# Altium PCB COEXPIX PCB.PcbDoc (part 2 of 2)
Units mm, origin at the board's own origin, x right, y up, seen from the top; angles counter-clockwise.
Board outline 35 x 35 mm, 4 copper layers (Top Layer, Signal Layer 1, Inner Layer 2, Bottom Layer), stack 0.778 mm thick; 129 components, 70 nets, 509 pads, 261 vias.
Unrouted connection lines stored in the file: 28.
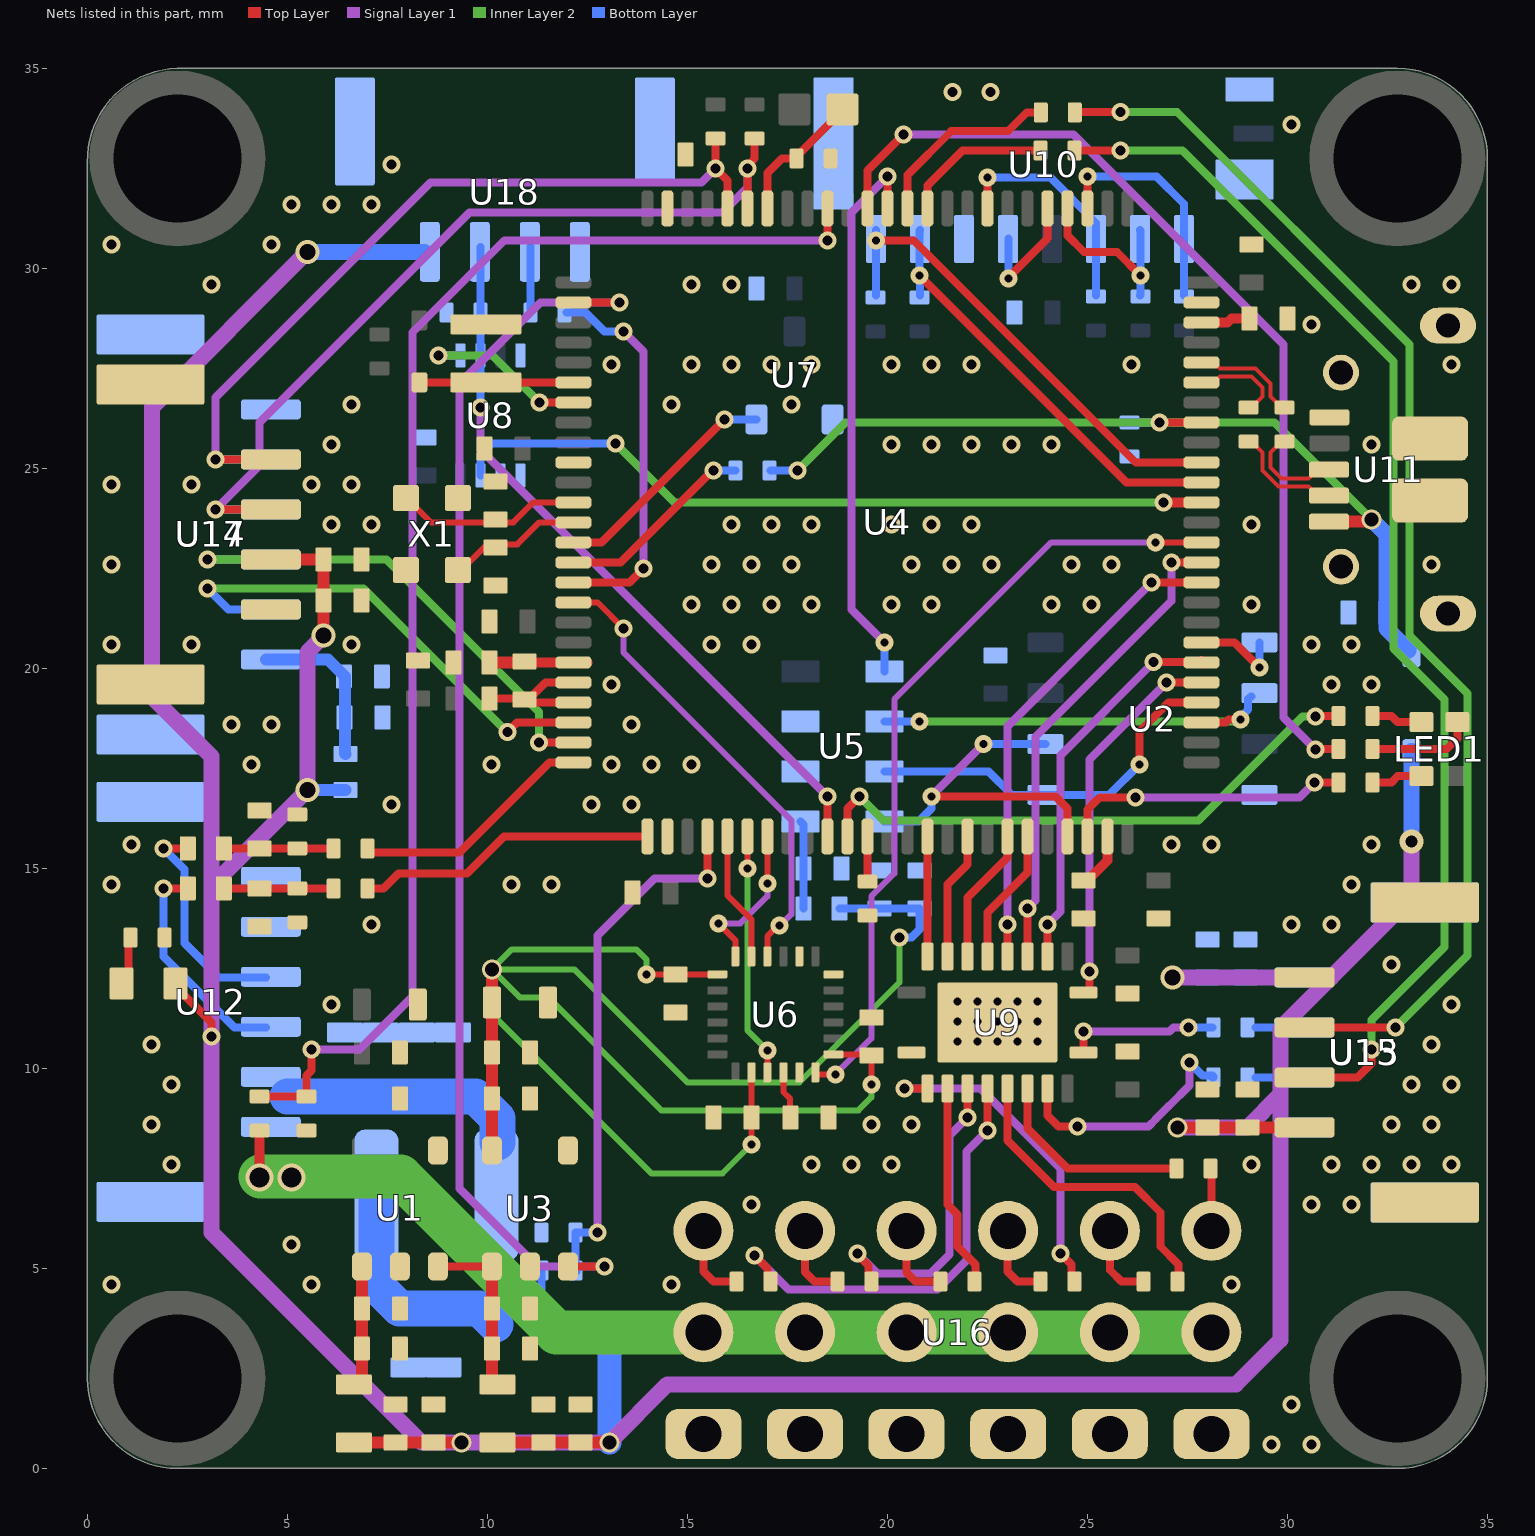
[diagram p4: the nets of this part, all layers, seen from the top]

## Via types
v1: diameter 0.45, hole 0.25, Top Layer to Bottom Layer, tented both sides, 209 vias
v2: diameter 0.45, hole 0.2, Top Layer to Bottom Layer, tented both sides, 38 vias
v3: diameter 0.5, hole 0.35, Top Layer to Bottom Layer, tented both sides, 6 vias
v4: diameter 0.6, hole 0.4, Top Layer to Bottom Layer, tented both sides, 4 vias
v5: diameter 0.7, hole 0.5, Top Layer to Bottom Layer, tented both sides, 2 vias
v6: diameter 0.6, hole 0.3, Top Layer to Bottom Layer, tented both sides, 1 vias
v7: diameter 0.5, hole 0.3, Top Layer to Bottom Layer, tented both sides, 1 vias

## Nets (pads, with @x,y where several pads share a name; then routed paths per layer and width w, separated by ;. In a path a pad name is that pad's centre, name@x,y a point inside that pad or via, vN(x,y) a via of type N, cw(c..) or ccw(c..) an arc to the next point about the centre after c; other vN are vias at no path point) (continued)
"3.3v analog": C14.1 L2.1 U4.21 U4.22 | length 3.5
  Top Layer w0.2: L2.1@10.05,19.25 10.95,19.25 C14.1@10.975,19.225 ; C14.1@10.925,19.225 C14.1@10.975,19.225 ; U4.22@12.15,19.15 11.05,19.15 C14.1@10.975,19.225 ; U4.21@12.15,19.65 11.45,19.65 11.025,19.225 C14.1@10.975,19.225
"3.3v sens.": C16.1 C17.1 C22.2 C23.2 C24.2 C27.2 C28.2 C29.2 L4.1 L4.2 R5.1 U3.5 U5.1 U6.1 U6.8 U6.13 | length 54.1
  Top Layer w0.15: v2(13.975,12.35) C27.2@14.7,12.35 U6.1@15.75,12.35 ; U6.8@16.6,9.9 C28.2@16.6,8.775 16.602,8.775 v2(16.602,8.1) ; U6.13@18.65,10.35 19.6,10.35 C29.2@19.6,10.325 v2(19.6,9.6)
  Top Layer w0.3: U3.5@10.112,7.95 C17.1@10.112,9.25 C16.1@10.112,10.4 R5.1@10.112,11.648 v3(10.112,12.475)
  Inner Layer 2 w0.15: v2(13.975,12.35) 13.975,12.725 13.725,12.975 10.612,12.975 v3(10.112,12.475) ; v2(16.602,8.1) 15.877,7.375 14.1,7.375 10.112,11.363 v3(10.112,12.475) ; v2(19.6,9.6) 19.6,9.275 19.275,8.95 14.348,8.95 11.523,11.775 10.812,11.775 v3(10.112,12.475) ; v1(20.3,13.275) 20.3,12.148 17.802,9.65 15,9.65 12.175,12.475 v3(10.112,12.475)
  Bottom Layer w0.2: U5.1@17.825,16.175 17.9,16.1 C24.2@17.9,15 L4.1@17.9,14 ; L4.2@18.8,14 C23.2@19.8,14 C22.2@20.8,14 20.8,13.475 20.6,13.275 v1(20.3,13.275)
"5v input": C40.2 C41.2 C42.2 C43.2 C44.2 C45.2 D3.2 L6.1 L6.2 R4.1 U12.1 U12.2 U16.7 U16.8 U16.9 U16.10 U16.11 U16.12 | length 38.2
  Top Layer w0.25: v5(4.3,7.275) R4.1@4.3,8.4
  Inner Layer 2 w1.1: v5@4.325,7.3 7.825,7.3 11.725,3.4 U16.7@15.4,3.4 U16.8@17.94,3.4 U16.9@20.48,3.4 U16.10@23.02,3.4 U16.11@25.56,3.4 U16.12@28.1,3.4
  Bottom Layer w0.9: 5,9.3 5.712,9.3 5.717,9.295 6.383,9.295 6.388,9.3 6.438,9.3 9.7,9.3 10.25,8.75 L6.1@10.25,8.15 ; L6.2@7.225,6.825 7.225,4.575 7.8,4 9.8,4 D3.2@10.2,3.6
  other v5: 5.1,7.275
"5v input_USB": C39.1 D2.2 R21.1 R22.2 U4.68 U11.1 | length 23.2
  Top Layer w0.2: v1(26.8,26.15) U4.68@27.85,26.15
  Top Layer w0.3: U11.1@31.041,23.669 31.977,23.669 32.032,23.725 v3(32.1,23.725)
  Inner Layer 2 w0.2: v1(17.75,24.95) 18.95,26.15 v1(26.8,26.15) 29.675,26.15 v3(32.1,23.725) v3@32.1,23.7
  Bottom Layer w0.2: R22.2@17.075,24.95 v1@17.725,24.95 ; R21.1@26.025,26.15 R21.1@26.05,26.15 v1(26.8,26.15) v1@26.85,26.15
  Bottom Layer w0.4: v3(32.1,23.725) 32.475,23.35 C39.1@32.475,21.4 32.475,21 32.945,20.53 32.977,20.53 33.025,20.482 D2.2@33.025,20.45
"5v input_USB_valid": R22.1 U4.15 | length 5
  Top Layer w0.2: U4.15@12.15,22.65 13.325,22.65 15.625,24.95 v1(15.65,24.95)
  Bottom Layer w0.2: v1(15.65,24.95) R22.1@16.2,24.95
"5v input_valid": R4.2 R6.1 U4.91 | length 34.2
  Top Layer w0.2: R4.2@4.3,9.3 R6.1@5.475,9.3 ; R6.1@5.5,9.3 R6.1@5.475,9.3 ; v1(5.6,10.475) 5.6,9.95 5.475,9.825 R6.1@5.475,9.3 ; v1(18.5,30.7) U4.91@18.5,31.5
  Signal Layer 1 w0.2: v1(5.6,10.475) 6.8,10.475 8.125,11.8 8.125,28.403 10.422,30.7 v1(18.5,30.7)
"5v main": C4.1 C5.1 C6.1 C7.1 C18.1 C19.1 C20.1 C21.1 C48.2 C49.2 C50.2 C51.2 C52.2 C53.2 C54.1 C55.1 D2.1 D3.1 L1.1 L1.2 L3.1 L3.2 L9.1 L9.2 LED2.1 LED2.2 R8.1 R38.2 U1.1 U1.3 U3.1 U13.1 U14.1 U15.1 U17.3 U18.1 | length 126.2
  Top Layer w0.2: LED2.1@1.025,12.295 R38.2@1.025,13.222 ; LED2.2@2.203,12.123 2.203,12.047 3.1,11.15 v1(3.1,10.8) ; U1.3@8.762,5.05 U3.1@10.112,5.05
  Top Layer w0.25: LED2.1@0.853,12.123 LED2.1@1.025,12.295 ; R38.2@1.025,13.222 R38.2@1.078,13.275
  Top Layer w0.3: U17.3@4.458,22.725 U17.3@4.586,22.725 C55.1@5.9,22.725 C54.1@5.9,21.7 v4(5.9,20.825) ; L1.2@6.663,0.65 C6.1@7.7,0.65 C7.1@8.65,0.65 v3(9.35,0.65) ; L1.1@6.862,2.1 6.862,2.998 C5.1@6.86,3 6.86,3.898 6.862,3.9 U1.1@6.862,5.05 ; U1.3@8.742,5.05 U1.3@8.762,5.05 ; U3.1@10.112,5.05 C18.1@10.112,4 C19.1@10.112,3 10.112,2.238 L3.2@10.25,2.1 ; L3.1@10.25,0.65 13.044,0.65 v3(13.047,0.647) ; v3(27.25,8.526) C48.2@28,8.526 U13.1@30.43,8.526
  Signal Layer 1 w0.4: v4(5.5,30.416) 1.615,26.531 1.615,19.285 3.1,17.8 3.1,14.558 ; v4@5.9,20.8 5.5,20.4 v4(5.5,16.958) 3.1,14.558 ; v3(9.35,0.65) v3@9.306,0.65 ; v4(27.125,12.275) 31.074,12.275 ; v3(27.25,8.526) 28.989,8.526 28.995,8.52 29.825,9.35 ; 31.06,12.289 31.074,12.275 ; 31.087,12.275 31.074,12.275 ; 31.1,12.274 29.825,10.999 29.825,9.35 ; v6(33.1,15.675) 33.1,14.275 31.087,12.262 31.074,12.275 ; 3.1,14.558 v1(3.1,10.8) 3.1,5.9 8.35,0.65 v3@9.306,0.65 ; v3@9.306,0.65 9.303,0.647 v3(13.047,0.647) 14.5,2.1 28.714,2.1 29.825,3.211 29.825,9.35
  Bottom Layer w0.2: R8.1@11.35,4.95 11.35,4.15 11.9,3.6 D3.1@12.575,3.6 D3.1@12.6,3.6
  Bottom Layer w0.3: U14.1@4.458,20.225 U14.1@4.584,20.225 6.01,20.225 6.435,19.8 6.435,17.873 L9.2@6.45,17.858 ; v4(5.5,16.958) L9.1@6.45,16.958 ; v4(27.125,12.275) C53.2@28.95,12.275 U15.1@30.415,12.275
  Bottom Layer w0.4: v4(5.5,30.416) U18.1@8.425,30.416 ; D3.1@12.6,3.6 12.65,3.6 12.675,3.575 D3.1@12.675,3.525 ; v6(33.1,15.675) 33.102,15.677 D2.1@33.102,17.93
  Bottom Layer w0.6: D3.1@12.675,3.525 13.047,3.153 v3(13.047,0.647)
"5v main_sens.": R8.2 R9.1 U4.29 | length 13.4
  Top Layer w0.2: v1(15.5,14.75) U4.29@15.5,15.8
  Signal Layer 1 w0.2: v1(12.75,5.9) 12.75,13.325 14.175,14.75 v1(15.5,14.75)
  Bottom Layer w0.2: R8.2@12.225,4.925 R8.2@12.2,4.95 R9.1@12.2,5.9 v1(12.75,5.9)
AGND: C14.2 L5.1 U4.20 | length 2.5
  Top Layer w0.25: C14.2@11.05,20.15 U4.20@12.15,20.15 U4.20@12.5,20.15
  Top Layer w0.3: L5.1@10.05,20.15 C14.2@11.05,20.15
AUX1: R31.1 R31.2 U9.15 U16.1 | length 13.2
  Top Layer w0.2: U16.1@15.4,5.94 15.4,4.925 15.65,4.675 R31.2@16.2,4.675 ; v1(16.675,5.325) 17,5 17,4.725 R31.1@17.05,4.675 ; v1(22.5,8.45) U9.15@22.5,9.5
  Signal Layer 1 w0.2: v1(16.675,5.325) 17.525,4.475 21.25,4.475 21.975,5.2 21.975,7.925 v1(22.5,8.45)
AUX2: R32.1 R32.2 U9.14 U16.2 | length 9.8
  Top Layer w0.2: U16.2@17.94,5.94 17.94,4.91 18.175,4.675 R32.2@18.725,4.675 ; v1(19.25,5.375) 19.25,5.35 19.525,5.075 19.525,4.85 R32.1@19.65,4.725 ; v1@22,8.875 U9.14@22,9.5
  Top Layer w0.25: v1@22,8.875 22,8.777 v1(22.001,8.775)
  Signal Layer 1 w0.2: v1(19.25,5.375) 19.75,4.875 21.075,4.875 21.55,5.35 21.55,8.325 v1(22.001,8.775)
AUX3: R33.1 R33.2 U9.13 U16.3 | length 7
  Top Layer w0.2: U16.3@20.48,5.94 20.48,4.9 20.705,4.675 R33.2@21.275,4.675 ; U9.13@21.5,9.5 21.5,6.6 21.75,6.35 21.75,5.55 22.2,5.1 R33.1@22.2,4.675
AUX4: R34.1 R34.2 U9.12 U16.4 | length 10.4
  Top Layer w0.2: v1(20.425,9.5) U9.12@21,9.5 ; U16.4@23.02,5.94 23,5.92 23,4.925 23.25,4.675 R34.2@23.8,4.675 ; v1(24.325,5.375) 24.6,5.1 R34.1@24.6,4.85 ; R34.1@24.6,4.75 R34.1@24.6,4.85 ; R34.1@24.7,4.625 24.7,4.675 R34.1@24.7,4.775 ; R34.1@24.7,4.8 R34.1@24.7,4.775 ; R34.1@24.725,4.775 R34.1@24.7,4.775 ; R34.1@24.6,4.85 24.675,4.775 R34.1@24.7,4.775
  Signal Layer 1 w0.2: v1(20.425,9.5) 22.325,9.5 24.325,7.5 v1(24.325,5.375)
AUX5: R35.1 R35.2 U9.16 U16.5 | length 9.8
  Top Layer w0.2: U9.16@23,9.5 23,8.2 24.165,7.035 26.19,7.035 26.822,6.403 26.822,5.553 27.275,5.1 R35.1@27.275,4.575 ; U16.5@25.56,5.94 25.56,4.965 25.85,4.675 R35.2@26.375,4.675
AUX6: R36.1 R36.2 U9.17 U16.6 | length 6.7
  Top Layer w0.2: U9.17@23.5,9.5 23.5,8.5 24.5,7.5 R36.1@27.2,7.5 ; U16.6@28.1,5.9 U16.6@28.1,5.94 R36.2@28.1,7.5
BOOT0: pad.2@18.875,33.975 R10.1 U4.94 | length 3.3
  Top Layer w0.2: U4.94@17,31.5 17,32.389 17.361,32.75 R10.1@17.7,32.75 ; R10.1@17.725,32.75 17.725,32.825 17.8,32.9 17.825,32.9 pad.2@18.75,33.825
BOOT1: R7.2 U4.37 | length 1.1
  Top Layer w0.2: R7.2@19.5,14.7 U4.37@19.5,15.8
"Current sens.": C46.1 L7.1 L7.2 R25.1 R25.2 R40.1 U4.26 U12.3 | length 15.8
  Top Layer w0.2: v1(1.9,14.5) L7.2@2.508,14.5 ; L7.1@3.408,14.5 C46.1@4.3,14.5 R25.2@6.125,14.5 ; R25.1@7.025,14.5 7.4,14.5 7.775,14.875 9.487,14.875 10.412,15.8 U4.26@14,15.8
  Bottom Layer w0.2: v1(1.9,14.5) 1.9,12.8 3.675,11.025 U12.3@4.458,11.025
FMU_AUX1: U4.45 U9.6 | length 3.4
  Top Layer w0.2: U9.6@22.5,12.8 22.5,13.9 23.5,14.9 U4.45@23.5,15.8
FMU_AUX2: U4.44 U9.7 | length 3.4
  Top Layer w0.2: U9.7@22,12.8 22,14.275 23,15.275 U4.44@23,15.8
FMU_AUX3: U4.42 U9.8 | length 3.2
  Top Layer w0.2: U9.8@21.5,12.8 21.5,14.6 22,15.1 U4.42@22,15.8
FMU_AUX4: U4.40 U9.9 | length 3
  Top Layer w0.2: U9.9@21,12.8 U4.40@21,15.8
FMU_AUX5: U4.60 U9.5 | length 12.1
  Top Layer w0.2: U9.5@23,12.8 v1(23,13.6) ; v1(26.6,22.15) U4.60@27.85,22.15
  Signal Layer 1 w0.2: v1(23,13.6) 23,18.55 v1(26.6,22.15)
FMU_AUX6: U4.61 U9.4 | length 12.1
  Top Layer w0.2: U9.4@23.5,12.8 v1(23.5,14) ; v1(27.1,22.65) U4.61@27.85,22.65
  Signal Layer 1 w0.2: v1(23.5,14) 23.7,14.2 23.7,18.29 27.1,21.69 v1(27.1,22.65)
"FMU_RC input": U4.64 U8.7 | length 19.3
  Top Layer w0.25: v1(26.9,24.15) U4.64@27.85,24.15
  Inner Layer 2 w0.2: v1(13.2,25.625) 14.675,24.15 v1(26.9,24.15)
  Bottom Layer w0.2: U8.7@9.825,24.825 9.825,25.35 10.1,25.625 v1(13.2,25.625)
FRAM_SPI_CS: U2.1 U4.57 | length 2.3
  Top Layer w0.2: U4.57@27.85,20.65 28.675,20.65 v2(29.3,20.025)
  Bottom Layer w0.2: v2(29.3,20.025) U2.1@29.3,20.65
FRAM_SPI_MISO: U2.2 U4.53 U5.6 | length 10.6
  Top Layer w0.2: U4.53@27.85,18.65 28.45,18.65 28.525,18.725 v2(28.825,18.725)
  Inner Layer 2 w0.2: v2(20.8,18.675) v2@28.75,18.675 ; v2@28.723,18.702 v2@28.75,18.675 ; v2@28.825,18.675 v2@28.75,18.675
  Bottom Layer w0.2: U5.6@19.925,18.675 v2(20.8,18.675) ; v2(28.825,18.725) 28.825,18.774 29.018,18.967 29.018,19.23 29.088,19.3 U2.2@29.1,19.3
FRAM_SPI_MOSI: U2.5 U4.54 U5.7 | length 9.6
  Top Layer w0.2: v2(26.3,17.6) 26.3,18.425 27.025,19.15 U4.54@27.85,19.15
  Bottom Layer w0.2: U5.7@19.925,17.425 22.525,17.425 23.11,16.84 U2.5@23.95,16.84 25.54,16.84 v2(26.3,17.6)
FRAM_SPI_SCK: U2.6 U4.47 U5.8 | length 9.2
  Top Layer w0.2: v2(21.1,16.8) 24.2,16.8 24.5,16.5 U4.47@24.5,15.8
  Signal Layer 1 w0.2: v2@21.09,16.8 v2(22.4,18.11)
  Inner Layer 2 w0.2: v2@21.09,16.8 v2(21.1,16.8)
  Bottom Layer w0.2: U5.8@19.925,16.175 20.775,16.175 21.1,16.5 v2(21.1,16.8) ; v2(22.4,18.11) U2.6@23.95,18.11
GND: C1.1 C2.2 C3.2 C4.2 C5.2 C6.2 C7.2 C8.1 C9.1 C10.1 C11.1 C12.1 C13.1 C15.1 C16.2 C17.2 C18.2 C19.2 C20.2 C21.2 C22.1 C23.1 C24.1 C25.2 C26.1 C27.1 C28.1 C29.1 C30.1 C31.2 C32.2 C33.2 C34.2 C35.1 C36.1 C37.2 C38.2 C39.2 C40.1 C41.1 C42.1 C43.1 C44.1 C45.1 C46.2 C47.2 C48.1 C49.1 C50.1 C51.1 C52.1 C53.1 C54.2 C55.2 C56.1 L5.2 R1.2 R5.2 R6.2 R7.1 R9.2 R10.2 R14.1 R21.2 R38.1 R39.2 R40.2 U1.2 U1.4 U2.4 U3.2 U3.4 U4.10 U4.27 U4.74 U4.99 U5.2 U5.3 U6.11 U6.18 U6.20 U7.1 U8.4 U8.5 U8.6 U9.11 U9.21 U10.6 U10.9 U10.10 U10.11 U11.5 U12.5 U12.6 U12.7 U13.4 U13.5 U14.6 U14.7 U15.4 U15.5 U16.13 U16.14 U16.15 U16.16 U16.17 U16.18 U17.4 U17.5 U18.4 U18.5 X1.2 X1.4
  other v1: 29.6,0.6 30.6,0.6 30.1,1.6 0.6,4.6 5.6,4.6 14.6,4.6 28.6,4.6 5.1,5.6 16.6,6.6 30.6,6.6 31.6,6.6 2.1,7.6 18.1,7.6 19.1,7.6 20.1,7.6 29.1,7.6 31.1,7.6 32.1,7.6 33.1,7.6 34.1,7.6 1.6,8.6 19.6,8.6 20.6,8.6 32.6,8.6 33.6,8.6 2.1,9.6 33.1,9.6 34.1,9.6 1.6,10.6 33.6,10.6 6.1,11.6 34.1,11.6 32.6,12.6 7.1,13.6 30.1,13.6 31.1,13.6 0.6,14.6 10.6,14.6 11.6,14.6 31.6,14.6 1.1,15.6 27.1,15.6 28.1,15.6 32.1,15.6 7.6,16.6 12.6,16.6 13.6,16.6 4.1,17.6 10.1,17.6 13.1,17.6 14.1,17.6 15.1,17.6 3.6,18.6 4.6,18.6 13.6,18.6 13.1,19.6 31.1,19.6 32.1,19.6 0.6,20.6 2.6,20.6 6.6,20.6 15.6,20.6 16.6,20.6 30.6,20.6 31.6,20.6 15.1,21.6 16.1,21.6 17.1,21.6 18.1,21.6 20.1,21.6 21.1,21.6 24.1,21.6 25.1,21.6 29.1,21.6 0.6,22.6 15.6,22.6 16.6,22.6 17.6,22.6 20.6,22.6 21.6,22.6 22.6,22.6 24.6,22.6 25.6,22.6 33.6,22.6 6.1,23.6 7.1,23.6 16.1,23.6 17.1,23.6 18.1,23.6 20.1,23.6 21.1,23.6 22.1,23.6 29.1,23.6 0.6,24.6 2.6,24.6 5.6,24.6 6.6,24.6 6.1,25.6 20.1,25.6 21.1,25.6 22.1,25.6 23.1,25.6 24.1,25.6 32.1,25.6 6.6,26.6 14.6,26.6 17.6,26.6 13.1,27.6 15.1,27.6 16.1,27.6 17.1,27.6 18.1,27.6 20.1,27.6 21.1,27.6 22.1,27.6 26.1,27.6 34.1,27.6 30.6,28.6 3.1,29.6 15.1,29.6 16.1,29.6 33.1,29.6 34.1,29.6 0.6,30.6 4.6,30.6 5.1,31.6 6.1,31.6 7.1,31.6 7.6,32.6 30.1,33.6 21.628,34.414 22.579,34.413
  other v2: 21.75,10.675 22.25,10.675 22.75,10.675 23.25,10.675 23.75,10.675 21.75,11.175 22.25,11.175 22.75,11.175 23.25,11.175 23.75,11.175 21.75,11.675 22.25,11.675 22.75,11.675 23.25,11.675 23.75,11.675
GPS_UART_RX: U4.24 U14.3 | length 12.9
  Top Layer w0.2: v1(11.29,18.15) U4.24@12.15,18.15
  Inner Layer 2 w0.2: v1(3,22.725) 7.475,22.725 11.29,18.91 v1(11.29,18.15)
  Bottom Layer w0.2: v1(3,22.725) U14.3@4.458,22.725
GPS_UART_TX: U4.23 U14.2 | length 12.4
  Top Layer w0.2: v1(10.5,18.408) 10.742,18.65 U4.23@12.15,18.65
  Inner Layer 2 w0.2: v1(3,22) 6.9,22 10.492,18.408 v1(10.5,18.408)
  Bottom Layer w0.2: v1(3,22) 3.525,21.475 U14.2@4.458,21.475
I2C_SCL: R3.1 U4.95 U14.4 U17.2 | length 22.1
  Top Layer w0.2: v1(3.2,23.975) U17.2@4.458,23.975 ; U4.95@16.5,31.5 v1(16.5,32.5) 16.5,32.567 16.675,32.742 R3.1@16.675,33.25
  Signal Layer 1 w0.2: v1(3.2,23.975) 4.3,25.075 4.3,26.15 9.55,31.4 15.875,31.4 16.5,32.025 v1(16.5,32.5)
  Bottom Layer w0.2: v1(3.2,23.975) U14.4@4.458,23.975
I2C_SDA: R2.1 U4.96 U14.5 U17.1 | length 20.8
  Top Layer w0.2: v1(3.2,25.225) U17.1@4.458,25.224 ; R2.1@15.702,33.2 v1(15.702,32.5) 16,32.202 U4.96@16,31.5
  Signal Layer 1 w0.2: v1(3.2,25.225) 3.2,26.775 8.575,32.15 15.352,32.15 v1(15.702,32.5)
  Bottom Layer w0.2: v1(3.2,25.225) U14.5@4.458,25.225
LED_BLUE: LED1.4 R12.1 R12.2 U4.89 | length 27.5
  Top Layer w0.2: U4.89@19.5,31.5 19.5,32.45 v1(20.4,33.35) ; v1(30.7,17.975) 30.708,17.983 R12.2@31.25,17.983 ; R12.1@32.15,17.983 33.983,17.983 34.25,18.25 LED1.4@34.25,18.658
  Signal Layer 1 w0.2: v1(20.4,33.35) 24.65,33.35 29.9,28.1 29.9,18.775 v1(30.7,17.975)
LED_GREEN: LED1.2 R13.1 R13.2 U4.36 | length 15.7
  Top Layer w0.2: U4.36@19,15.8 19,16.5 v1(19.3,16.8) ; v1(30.7,18.8) 30.708,18.808 R13.2@31.25,18.808 ; R13.1@32.15,18.808 32.6,18.808 32.75,18.658 LED1.2@33.35,18.658
  Inner Layer 2 w0.2: v1(19.3,16.8) 19.9,16.2 27.775,16.2 30.375,18.8 v1@30.775,18.8
LED_RED: LED1.1 R15.1 R15.2 U4.48 | length 8.5
  Top Layer w0.2: U4.48@25,15.8 25,16.475 25.3,16.775 v1(26.2,16.775) ; v1(30.675,17.15) R15.2@31.275,17.15 ; R15.1@32.15,17.15 32.6,17.15 32.758,17.308 LED1.1@33.35,17.308
  Signal Layer 1 w0.2: v1(26.2,16.775) 30.3,16.775 v1(30.675,17.15)
MicroSD_CLK: U4.80 U10.5 | length 3.2
  Top Layer w0.2: v2(23.025,29.75) 23.025,29.775 24,30.75 U4.80@24,31.5
  Bottom Layer w0.2: v2(23.025,29.75) U10.5@23.025,30.75
MicroSD_CMD: R20.2 U4.83 U10.3 | length 5.8
  Top Layer w0.2: U4.83@22.5,31.5 v2(22.5,32.275)
  Bottom Layer w0.2: v2(22.5,32.275) 24.075,32.275 25.21,31.14 R20.2@25.21,29.325
MicroSD_DAT0: R16.2 U4.65 U10.7 | length 10.9
  Top Layer w0.2: v2(20.8,29.825) 25.975,24.65 U4.65@27.85,24.65
  Bottom Layer w0.2: v2(20.8,29.825) v2@20.8,29.87 ; R16.2@20.809,29.325 20.809,29.878 v2@20.8,29.87 ; U10.7@20.809,30.957 20.8,30.948 v2@20.8,29.87
MicroSD_DAT1: R17.2 U4.66 U10.8 | length 12.1
  Top Layer w0.2: v2(19.71,30.7) 20.659,30.7 26.209,25.15 U4.66@27.85,25.15
  Bottom Layer w0.2: R17.2@19.71,29.325 v2(19.71,30.7) U10.8@19.71,30.958
MicroSD_DAT2: R18.2 U4.78 U10.1 | length 5.8
  Top Layer w0.2: U4.78@25,31.5 v2(25,32.3)
  Bottom Layer w0.2: v2(25,32.3) 26.725,32.3 27.41,31.615 R18.2@27.41,29.325
MicroSD_DAT3: R19.2 U4.79 U10.2 | length 4.6
  Top Layer w0.2: U4.79@24.5,31.5 24.5,30.825 24.909,30.416 25.734,30.416 v2(26.325,29.825)
  Bottom Layer w0.2: R19.2@26.31,29.325 26.325,29.34 v2(26.325,29.825) 26.325,30.944 U10.2@26.31,30.958
MPU9250_SPI_CS: U4.17 U6.22 | length 11.7
  Top Layer w0.15: U4.17@12.15,21.65 12.751,21.65 v1(13.4,21.001) ; U6.22@17,12.8 17,13.3 17.275,13.575 v2(17.3,13.575)
  Signal Layer 1 w0.15: v1(13.4,21.001) 13.4,20.4 17.6,16.2 17.6,13.85 17.325,13.575 v2(17.3,13.575)
MPU9250_SPI_INT: U4.62 U6.12 | length 20
  Top Layer w0.15: U6.12@18.2,9.9 18.246,9.854 v2(18.7,9.854) ; v2(26.7,23.15) U4.62@27.85,23.15
  Signal Layer 1 w0.15: v2(18.7,9.854) 19.6,10.754 19.6,14.3 20.175,14.875 20.175,19.225 24.1,23.15 v2(26.7,23.15) v2@26.7,23
MPU9250_SPI_SCLK: U4.30 U6.23 | length 3.2
  Top Layer w0.15: U4.30@16,15.8 16,14.325 16.6,13.725 U6.23@16.6,12.8
MPU9250_SPI_SDI: U4.32 U6.24 | length 4
  Top Layer w0.15: v2(15.775,13.625) 16.2,13.2 U6.24@16.2,12.8 ; v2(17,14.625) U4.32@17,15.8
  Signal Layer 1 w0.15: v2(15.775,13.625) 16.325,13.625 17,14.3 v2(17,14.625) v2@17,14.65
MPU9250_SPI_SDO: U4.31 U6.9 | length 6.1
  Top Layer w0.15: v2(16.5,15) U4.31@16.5,15.8 ; U6.9@17,9.9 17,10.448 v2(17,10.45) 17.002,10.448 v2@17.001,10.447
  Inner Layer 2 w0.15: v2(16.5,15) 16.5,10.95 v2(17,10.45)
"MS5607_SPI_ CS": U4.88 U5.5 | length 13.9
  Top Layer w0.2: U4.88@20,31.5 v1(20,32.295)
  Signal Layer 1 w0.2: v2(19.925,20.65) 19.1,21.475 19.1,31.395 v1(20,32.295)
  Bottom Layer w0.2: U5.5@19.925,19.925 v2(19.925,20.65)
NRST: U4.14 U7.2 | length 5.9
  Top Layer w0.2: U4.14@12.125,23.15 12.85,23.15 v1(15.925,26.225)
  Bottom Layer w0.2: v1(15.925,26.225) U7.2@16.725,26.225
OSC_IN: C15.2 U4.12 X1.3 | length 4.6
  Top Layer w0.15: X1.3@7.988,24.25 8.588,23.65 10.65,23.65 11.15,24.15 U4.12@12.15,24.15
OSC_OUT: C25.1 U4.13 X1.1 | length 3.4
  Top Layer w0.15: X1.1@9.288,22.45 9.35,22.45 10,23.1 10.75,23.1 11.3,23.65 U4.13@12.15,23.65
"RC input": R14.2 U4.35 U8.2 U18.2 | length 18.4
  Top Layer w0.2: U4.35@18.5,15.8 v1(18.5,16.8)
  Signal Layer 1 w0.2: v1(9.825,26.526) 9.825,25.475 v1(18.5,16.8)
  Bottom Layer w0.2: v1@9.825,26.475 U8.2@9.825,27.825 U18.2@9.825,30.541 ; v1@9.825,26.475 v1(9.825,26.526)
REGOUT: C26.2 U6.10 | length 1.3
  Top Layer w0.15: U6.10@17.4,10.05 U6.10@17.4,9.9 17.4,9.41 17.56,9.25 C26.2@17.56,8.775
RSSI_IN: R37.1 R37.2 U4.16 U18.3 | length 11.3
  Top Layer w0.2: U4.16@12.15,22.15 13.55,22.15 v1(13.9,22.5)
  Signal Layer 1 w0.2: v1(13.4,28.425) 13.9,27.925 v1(13.9,22.5)
  Bottom Layer w0.2: R37.2@11.075,28.9 U18.3@11.075,30.541 ; R37.1@11.975,28.9 12.45,28.9 12.925,28.425 v1(13.4,28.425)
SBUS_INV: U4.7 U8.1 | length 4.4
  Top Layer w0.2: v1(11.301,26.651) 12.124,26.651 U4.7@12.125,26.65
  Inner Layer 2 w0.2: v1(8.775,27.825) 10.124,27.825 ; 10.125,27.825 11.299,26.651 v1(11.301,26.651)
  Bottom Layer w0.2: v1(8.775,27.825) U8.1@9.325,27.825
"Sens. enable": U3.3 U4.2 | length 31.5
  Top Layer w0.2: U3.3@11.992,5.05 U3.3@12,5.058 ; U3.3@12.012,5.05 v1(12.925,5.05) ; U4.2@12.15,29.15 v1(13.3,29.15)
  Signal Layer 1 w0.2: v1(12.925,5.05) 11.25,5.05 9.3,7 9.3,27.125 11.325,29.15 v1(13.3,29.15)
Telem1_UART_RX: R28.1 R28.2 U4.87 U13.3 | length 36.1
  Top Layer w0.2: U4.87@20.5,31.5 20.5,32.337 21.594,33.432 23.016,33.432 23.484,33.9 R28.1@23.809,33.9 ; R28.2@24.709,33.9 24.715,33.906 v1(25.825,33.906) ; U13.3@30.591,11.025 v1(32.7,11.026)
  Inner Layer 2 w0.2: v1(25.825,33.906) 27.244,33.906 33.05,28.1 33.05,20.825 34.5,19.375 34.5,12.826 v1(32.7,11.026)
Telem1_UART_TX: R27.1 R27.2 U4.86 U13.2 | length 34.4
  Top Layer w0.2: U4.86@21,31.5 21,32.075 21.875,32.95 R27.1@23.8,32.95 ; R27.2@24.7,32.95 v1(25.825,32.95) ; U13.2@30.591,9.775 31.75,9.775 32.1,10.125 v1(32.1,10.475)
  Inner Layer 2 w0.2: v1(25.825,32.95) 27.375,32.95 32.65,27.675 32.65,20.5 33.15,20 33.175,19.975 33.925,19.225 33.925,13.038 32.1,11.213 v1(32.1,10.475)
Telem2_UART_FMU_RX: U4.56 U9.3 | length 9.6
  Top Layer w0.2: U9.3@24,12.8 v1(24,13.6) ; v1@26.805,20.155 U4.56@27.85,20.155
  Top Layer w0.3: v1(26.655,20.155) v1@26.745,20.155 ; U4.56@27.85,20.15 U4.56@27.85,20.155
  Signal Layer 1 w0.2: v1(24,13.6) 24.325,13.925 24.325,17.825 v1(26.655,20.155)
Telem2_UART_FMU_TX: U4.55 U9.1@24.9,11.9 | length 9.4
  Top Layer w0.2: U9.1@25.05,11.9 v1(25.05,12.425) ; v1(26.975,19.65) U4.55@27.85,19.65
  Signal Layer 1 w0.2: v1(25.05,12.425) 25.05,17.25 25.05,17.375 25.05,17.725 v1(26.975,19.65)
Telem2_UART_RX: R30.1 R30.2 U9.18 U15.3 | length 7.5
  Top Layer w0.2: U9.18@24,9.5 24,8.825 24.275,8.55 v1(24.75,8.55)
  Signal Layer 1 w0.2: v1(24.75,8.55) 26.529,8.55 26.72,8.741 26.72,8.745 27.03,9.056 27.035,9.056 27.55,9.571 v1(27.55,10.15)
  Bottom Layer w0.2: v1(27.55,10.15) 27.875,9.825 28.125,9.825 28.15,9.8 R30.2@28.15,9.776 ; R30.2@28.1,9.8 R30.2@28.125,9.776 ; 29.2,9.775 U15.3@30.591,9.775
Telem2_UART_TX: R29.1 R29.2 U9.20 U15.2 | length 5.2
  Top Layer w0.2: U9.20@24.9,10.425 v1(24.9,10.925)
  Signal Layer 1 w0.2: v1(24.9,10.925) 27.05,10.925 27.15,11.025 v1(27.525,11.025)
  Bottom Layer w0.2: v1@27.525,11.025 R29.2@28.125,11.025 ; 29.2,11.025 U15.2@30.591,11.025
USB_D_N: R23.1 R23.2 U4.70 U11.2 | length 5.1
  Top Layer w0.1: U4.70@27.85,27.15 28.159,27.15 28.309,27.3 29.1,27.3 29.375,27.025 29.375,26.8 29.2,26.625 R23.2@29.15,26.625 ; R23.1@29.025,25.675 29.141,25.559 29.216,25.559 29.375,25.4 29.375,24.942 29.773,24.544 30.532,24.544 30.597,24.48 30.597,24.469 30.746,24.319 U11.2@31.041,24.319
USB_D_P: R24.1 R24.2 U4.71 U11.3 | length 5.1
  Top Layer w0.1: U4.71@27.85,27.65 28.159,27.65 28.309,27.5 29.2,27.5 29.317,27.383 29.575,27.125 29.575,26.8 R24.2@29.762,26.613 ; R24.1@29.925,25.675 29.809,25.559 29.734,25.559 29.575,25.4 29.575,25.025 29.856,24.744 30.532,24.744 30.597,24.809 30.597,24.82 30.746,24.969 U11.3@31.041,24.969
VBAT: C31.1 C32.1 D1.1 U4.6 | length 3.8
  Top Layer w0.2: D1.1@8.3,27.15 C31.1@9.525,27.15 C32.1@10.4,27.15 U4.6@12.15,27.15
VCAP_1: C33.1 U4.49 | length 1.4
  Top Layer w0.25: C33.1@24.9,14.7 24.95,14.75 25.05,14.75 25.5,15.2 U4.49@25.5,15.8
VCAP_2: C34.1 U4.73 | length 1.2
  Top Layer w0.25: U4.73@27.85,28.65 28.5,28.65 28.6,28.75 C34.1@29.025,28.75
"Voltage sens.": C47.1 L8.1 L8.2 R26.1 R26.2 R39.1 U4.25 U12.4 | length 14.4
  Top Layer w0.2: v1(1.9,15.5) L8.2@2.508,15.5 ; L8.1@3.408,15.5 C47.1@4.3,15.5 R26.2@6.125,15.5 ; R26.1@7,15.4 9.3,15.4 11.55,17.65 U4.25@12.15,17.65
  Bottom Layer w0.2: v1(1.9,15.5) 2.425,14.975 2.425,13.133 3.284,12.275 U12.4@4.458,12.275
pads on no net: U4.1 U4.3 U4.4 U4.5 U4.8 U4.9 U4.18 U4.33 U4.34 U4.38 U4.39 U4.41 U4.43 U4.46 U4.51 U4.52 U4.58 U4.59 U4.63 U4.67 U4.69 U4.72 U4.76 U4.77 U4.81 U4.82 U4.84 U4.85 U4.90 U4.92 U4.93 U4.97 U4.98 U5.4 U6.2 U6.3 U6.4 U6.5 U6.6 U6.7 U6.14 U6.15 U6.16 U6.17 U6.19 U6.21 U8.3 U9.1@21.803,10.648 U9.1@21.803,11.648 U9.1@22.753,10.648 U9.1@22.753,11.648 U9.1@23.703,10.648 U9.1@23.703,11.648 U10.12 U11.4

## Polygon pours and split planes (outlines as drawn)
"5v input" on Bottom Layer "5V_INPUT_L04_P017" (solid, remove dead copper, pour order 17): 3.9,10.2 3.7,10 3.7,7 3.9,6.8 5.4,6.8 5.6,7 5.6,10 5.4,10.2
no net on Bottom Layer "NONET_L04_P016" (solid, remove dead copper, pour order 16): 3.9,10.1
GND on Bottom Layer "Bottom Layer-No Net" (solid, remove dead copper, pour order 13): 0,2.25 0,32.65 cw(c2.3,32.7) 2.25,35 32.75,35 cw(c32.75,32.75) 35,32.75 35,2.25 cw(c32.75,2.25) 32.75,0 2.25,0 cw(c2.25,2.25)
GND on Top Layer "Top Layer-No Net1" (solid, remove dead copper, pour order 10): 0,2.25 0,32.65 cw(c2.3,32.7) 2.25,35 32.75,35 cw(c32.75,32.75) 35,32.75 35,2.25 cw(c32.75,2.25) 32.75,0 2.25,0 cw(c2.25,2.25)
GND on Signal Layer 1 "Top Layer-No Net2" (solid, remove dead copper, pour order 11): 0,2.25 0,32.65 cw(c2.3,32.7) 2.25,35 32.75,35 cw(c32.75,32.75) 35,32.75 35,2.25 cw(c32.75,2.25) 32.75,0 2.25,0 cw(c2.25,2.25)
GND on Inner Layer 2 "Signal Layer 1-No Net" (solid, remove dead copper, pour order 12): 0,2.25 0,32.65 cw(c2.3,32.7) 2.25,35 32.75,35 cw(c32.75,32.75) 35,32.75 35,2.25 cw(c32.75,2.25) 32.75,0 2.25,0 cw(c2.25,2.25)

## Keep-outs
Keep-Out Layer:
  the board outline again, w0.1

## Other copper
Top Layer:
  pour cut-out: 16.019,12.52 18.386,12.55 18.386,10.152 16.019,10.152
  pour cut-out: 17.476,12.575
Signal Layer 1:
  pour cut-out: 16.285,9.477
  pour cut-out: 8.475,12.1

## Silkscreen, mask and mechanical layers (free items; w line width, h text height)
Top Overlay:
  drawing of 236 lines, arcs and shapes, not listed
  text "BOOT" at 19.525,34.775 h1 r270
  text "PIX" at 11.075,33.296 h2.8
  text "I2C" at 0.9,27.9 h1.5
  text "Gusakov N.I." at 0.375,10.925 h1.5 r270
  text "TELEM 1" at 34.625,5.625 h1.5 r180
  text "S" at 13.497,5.4 h2
  text "+" at 13.3,2.715 h3
  text "-" at 13.528,0.2 h3
Bottom Overlay:
  lines w0.5: 30.93,24.975 33.83,24.975 ; 33.03,24.175 33.83,24.975 ; 33.03,25.775 33.83,24.975 ; 33.83,24.975 33.83,24.975 ; 33.83,24.975 33.83,24.975
  text "RC IN" at 5.661,34.7 h1.5 r90
  text "GPS" at 2.534,29.175 h1.5
  text "PWR" at 0.492,5.825 h1.5 r180
  text "TELEM 2" at 30.525,5.625 h1.5 r180
  text "Rev 1.11" at 8.875,0.625 h1.5